# Altium PCB Copy of ToucanEyePCB.PcbDoc (part 1 of 3) (continued)
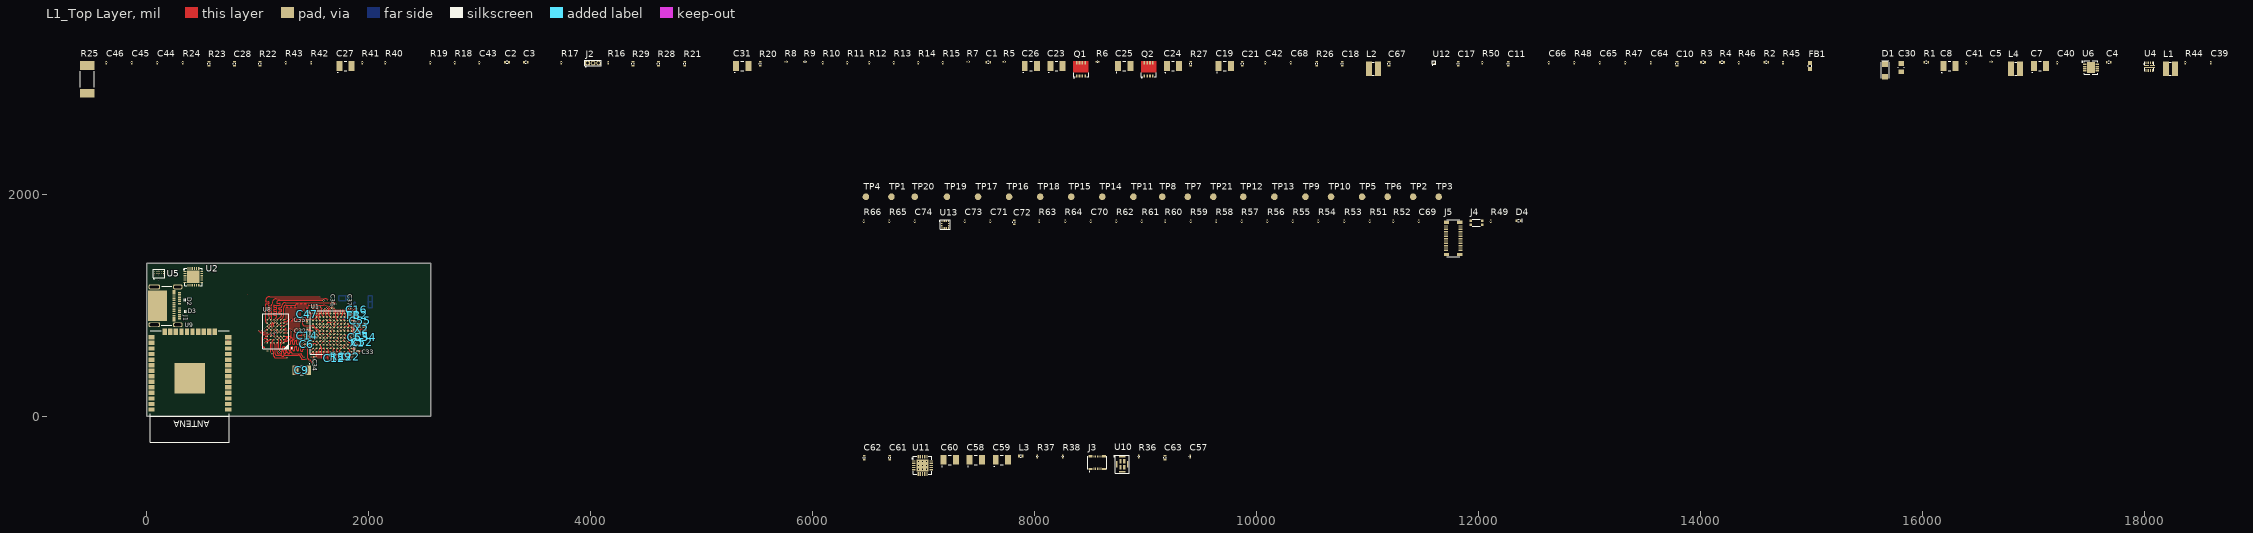
[diagram p0: L1_Top Layer view]
## Components (designator, comment, footprint, x,y, rotation, side; value= is the part's Value field where it differs from the comment) (continued)
TP21 "Test_Point" TP 9610,1975 r90 top
U1 "STM32L4R9ZIJ6" BGA144C80P12X12_1000X1000X60 1672.54,751.24 r180 top locked
U2 "STUSB1602AQTR" QFN24 420.8,1253.8 r0 top
U3 "BQ24250RGET" VQFN 109.1,1271.3 r0 bottom
U4 "TPS62097RWKT" VQFN_11 18041.87,3148.59 r0 top
U5 "BQ27532YZFT-G1" DSBGA-15_PINS 112.7,1283.5 r90 top
U6 "L5980TR" VFQFPN8 17516.87,3138.59 r0 top
U7 "USBLC6-2P6" SOT-666 157.8,989.9 r180 bottom
U8 "IS66WVE4M16EBLL-70BLI" BGA48C75P6X8_600X800X120 1162.36,762.72 r180 top locked
U9 "WROOM-32" WROOM-32 389.1,265.13 r180 top
U10 "MP34DT01TR" HCLGA 8790,-435 r0 top
U11 "TPA2014D1RGPT" QFN_16x0,5 6990,-445 r0 top
U12 "TLV70515YFPT" DSBGA 11596.87,3183.59 r90 top
U13 "LIS2DW12TR" LGA-12 7195,1725 r0 top locked
X1 "ABS05-32.768KHZ-9-T" CRYSTAL_1.6X1 1904.4,660.8 r270 top
X2 "CX2520DB16000F0FDFC1" CRYSTAL_2.5x2 1938,783.2 r270 top

## Footprints (in the part's own frame and the unit in brackets; to place one, negate y for a bottom-side part, rotate by r counter-clockwise, add the part's x,y. Pads: shape width x height; smd on the part's side, far side on the other; paste and mask are expansions set on the pad)
AXT530124 [mm]
  rect 0.23x0.92 smd paste+0 mask+0.051: 1(2.8,1.64) 2(2.8,-1.64) 3(2.4,1.64) 4(2.4,-1.64) 5(2,1.64) 6(2,-1.64) 7(1.6,1.64) 8(1.6,-1.64) 9(1.2,1.64) 10(1.2,-1.64) 11(0.8,1.64) 12(0.8,-1.64) 13(0.4,1.64) 14(0.4,-1.64) 15(0,1.64) 16(0,-1.64) 17(-0.4,1.64) 18(-0.4,-1.64) 19(-0.8,1.64) 20(-0.8,-1.64) 21(-1.2,1.64) 22(-1.2,-1.64) 23(-1.6,1.64) 24(-1.6,-1.64) 25(-2,1.64) 26(-2,-1.64) 27(-2.4,1.64) 28(-2.4,-1.64) 29(-2.8,1.64) 30(-2.8,-1.64)
  rect 0.7x1.2 smd paste+0 mask+0.051: TP(-3.7,-1.5) TP(-3.7,1.5) TP(3.7,-1.5) TP(3.7,1.5)
  silkscreen extent -4.25,-1.5 4.25,1.5
BGA48C75P6X8_600X800X120 [mm] "BGA, 48-Leads, Body 6,00x8,00mmx1,20mm, Pitch 0,75mm"
  round 0.33 smd mask+0.051: A1(-1.875,2.625) A2(-1.125,2.625) A3(-0.375,2.625) A4(0.375,2.625) A5(1.125,2.625) A6(1.875,2.625) B1(-1.875,1.875) B2(-1.125,1.875) B3(-0.375,1.875) B4(0.375,1.875) B5(1.125,1.875) B6(1.875,1.875) C1(-1.875,1.125) C2(-1.125,1.125) C3(-0.375,1.125) C4(0.375,1.125) C5(1.125,1.125) C6(1.875,1.125) D1(-1.875,0.375) D2(-1.125,0.375) D3(-0.375,0.375) D4(0.375,0.375) D5(1.125,0.375) D6(1.875,0.375) E1(-1.875,-0.375) E2(-1.125,-0.375) E3(-0.375,-0.375) E4(0.375,-0.375) E5(1.125,-0.375) E6(1.875,-0.375) F1(-1.875,-1.125) F2(-1.125,-1.125) F3(-0.375,-1.125) F4(0.375,-1.125) F5(1.125,-1.125) F6(1.875,-1.125) G1(-1.875,-1.875) G2(-1.125,-1.875) G3(-0.375,-1.875) G4(0.375,-1.875) G5(1.125,-1.875) G6(1.875,-1.875) H1(-1.875,-2.625) H2(-1.125,-2.625) H3(-0.375,-2.625) H4(0.375,-2.625) H5(1.125,-2.625) H6(1.875,-2.625)
  silkscreen extent -3.78,-4 3,4, body extent -3,-4 3,4, height 1.2
BGA144C80P12X12_1000X1000X60 [mm] "BGA, 144-Leads, Body 10,00x10,00mmx0,60mm, Pitch 0,80mm"
  round 0.4 smd paste+0 mask+0.075: A1(-4.4,4.4) A2(-3.6,4.4) A3(-2.8,4.4) A4(-2,4.4) A5(-1.2,4.4) A6(-0.4,4.4) A7(0.4,4.4) A8(1.2,4.4) A9(2,4.4) A10(2.8,4.4) A11(3.6,4.4) A12(4.4,4.4) B1(-4.4,3.6) B2(-3.6,3.6) B3(-2.8,3.6) B4(-2,3.6) B5(-1.2,3.6) B6(-0.4,3.6) B7(0.4,3.6) B8(1.2,3.6) B9(2,3.6) B10(2.8,3.6) B11(3.6,3.6) B12(4.4,3.6) C1(-4.4,2.8) C2(-3.6,2.8) C3(-2.8,2.8) C4(-2,2.8) C5(-1.2,2.8) C6(-0.4,2.8) C7(0.4,2.8) C8(1.2,2.8) C9(2,2.8) C10(2.8,2.8) C11(3.6,2.8) C12(4.4,2.8) D1(-4.4,2) D2(-3.6,2) D3(-2.8,2) D4(-2,2) D5(-1.2,2) D6(-0.4,2) D7(0.4,2) D8(1.2,2) D9(2,2) D10(2.8,2) D11(3.6,2) D12(4.4,2) E1(-4.4,1.2) E2(-3.6,1.2) E3(-2.8,1.2) E4(-2,1.2) E5(-1.2,1.2) E6(-0.4,1.2) E7(0.4,1.2) E8(1.2,1.2) E9(2,1.2) E10(2.8,1.2) E11(3.6,1.2) E12(4.4,1.2) F1(-4.4,0.4) F2(-3.6,0.4) F3(-2.8,0.4) F4(-2,0.4) F5(-1.2,0.4) F6(-0.4,0.4) F7(0.4,0.4) F8(1.2,0.4) F9(2,0.4) F10(2.8,0.4) F11(3.6,0.4) F12(4.4,0.4) G1(-4.4,-0.4) G2(-3.6,-0.4) G3(-2.8,-0.4) G4(-2,-0.4) G5(-1.2,-0.4) G6(-0.4,-0.4) G7(0.4,-0.4) G8(1.2,-0.4) G9(2,-0.4) G10(2.8,-0.4) G11(3.6,-0.4) G12(4.4,-0.4) H1(-4.4,-1.2) H2(-3.6,-1.2) H3(-2.8,-1.2) H4(-2,-1.2) H5(-1.2,-1.2) H6(-0.4,-1.2) H7(0.4,-1.2) H8(1.2,-1.2) H9(2,-1.2) H10(2.8,-1.2) H11(3.6,-1.2) H12(4.4,-1.2) J1(-4.4,-2) J2(-3.6,-2) J3(-2.8,-2) J4(-2,-2) J5(-1.2,-2) J6(-0.4,-2) J7(0.4,-2) J8(1.2,-2) J9(2,-2) J10(2.8,-2) J11(3.6,-2) J12(4.4,-2) K1(-4.4,-2.8) K2(-3.6,-2.8) K3(-2.8,-2.8) K4(-2,-2.8) K5(-1.2,-2.8) K6(-0.4,-2.8) K7(0.4,-2.8) K8(1.2,-2.8) K9(2,-2.8) K10(2.8,-2.8) K11(3.6,-2.8) K12(4.4,-2.8) L1(-4.4,-3.6) L2(-3.6,-3.6) L3(-2.8,-3.6) L4(-2,-3.6) L5(-1.2,-3.6) L6(-0.4,-3.6) L7(0.4,-3.6) L8(1.2,-3.6) L9(2,-3.6) L10(2.8,-3.6) L11(3.6,-3.6) L12(4.4,-3.6) M1(-4.4,-4.4) M2(-3.6,-4.4) M3(-2.8,-4.4) M4(-2,-4.4) M5(-1.2,-4.4) M6(-0.4,-4.4) M7(0.4,-4.4) M8(1.2,-4.4) M9(2,-4.4) M10(2.8,-4.4) M11(3.6,-4.4) M12(4.4,-4.4)
  L1_Top Layer lines w0.12: -3.6,-3.6 -3.625,-3.6
  silkscreen extent -5.48,-5 5,5, body extent -5,-5 5,5, height 0.6
BM10NB(0.6)-10DS-0.4V(51) [mm]
  rect 0.25x0.5 smd paste+0 mask+0.051: 1(-0.8,-1.405) 2(-0.8,1.405) 3(-0.4,-1.405) 4(-0.4,1.405) 5(0,-1.405) 6(0,1.405) 7(0.4,-1.405) 8(0.4,1.405) 9(0.8,-1.405) 10(0.8,1.405)
  rect 0.92x0.55 smd paste+0 mask+0.051: 11(-1.55,1.445) 12(1.55,1.445) 13(1.55,-1.445) 14(-1.55,-1.445)
  silkscreen extent -2.2,-2.06 2.2,1.49
C_0201 [mm]
  rect 0.3x0.35 smd paste+0 mask+0.051: 1(-0.275,0) 2(0.275,0)
  silkscreen extent -0.03,-0.2 0.03,0.2, body extent -0.3,-0.15 0.3,0.15, height 0.3
C_0402 [mm]
  rect 0.4x0.6 smd paste+0 mask+0.051: 1(-0.45,0) 2(0.45,0)
  silkscreen extent -0.13,-0.25 0.13,0.25, body extent -0.5,-0.25 0.5,0.25, height 0.48
C_0805 [mil]
  rect 43x50 smd paste+0 mask+2.01: 1(-37.5,0) 2(37.5,0)
  silkscreen extent -3,-29 3,29, body extent -39,-25 39,25, height 31
C_3216 [mm]
  rect 1.35x2.2 smd paste+0: 1(-1.41,0) 2(1.41,0)
  silkscreen extent -1.79,-1.56 0.33,1.04, body extent -1.65,-0.93 1.75,0.87, height 1.7
CON_EVP-BB2A9B000 [mm]
  rect 0.6x0.6 smd paste+0 mask+0.051: 1(-1.325,-0.45) 1(-1.325,0.45) 2(1.325,-0.45) 2(1.325,0.45)
  silkscreen extent -0.9,-0.8 0.9,0.8
CRYSTAL_1.6X1 [mm]
  rect 0.5x1 smd paste+0 mask+0.051: 1(-0.55,0) 2(0.55,0)
  silkscreen extent -0.15,-0.5 0.15,0.5, body extent -0.76,-0.51 0.76,0.51, height 0.5
CRYSTAL_2.5x2 [mm]
  rect 1.2x1 smd paste+0 mask+0.051: 1(-0.85,-0.65) 2(0.85,-0.65) 3(0.85,0.65) 4(-0.85,0.65)
  silkscreen extent -1.75,-1.34 0.1,1, body extent -1.36,-1.11 1.36,1.12, height 1.22
DFN35P60X32-2N [mm] "DFN, 2-Leads, Body 0,30x0,60mm, Pitch 0,35mm, IPC Medium Density"
  rect 0.187x0.225 smd paste-0.01 mask+0.051: 1(-0.169,0) 2(0.169,0)
  silkscreen extent -0.3,-0.2 0.3,0.2, body extent -0.31,-0.16 0.32,0.16, height 0.32
DSBGA [mm]
  round 0.24 smd paste+0 mask+0.051: A1(-0.2,0.2) A2(0.2,0.2) B1(-0.2,-0.2) B2(0.2,-0.2)
  silkscreen extent -0.63,-0.4 0.4,0.4, body extent -0.4,-0.4 0.4,0.4, height 0.31
DSBGA-15_PINS [mm]
  round 0.195 smd paste+0 mask+0.05: A1(-0.5,1) A2(0,1) A3(0.5,1) B1(-0.5,0.5) B2(0,0.5) B3(0.5,0.5) C1(-0.5,0) C2(0,0) C3(0.5,0) D1(-0.5,-0.5) D2(0,-0.5) D3(0.5,-0.5) E1(-0.5,-1) E2(0,-1) E3(0.5,-1)
  L1_Top Layer lines w0.076: 0,0.508 0,0.5
  L1_Top Layer lines w0.127: -0.051,0 0,0
  silkscreen extent -1.33,-1.32 0.99,1.32, body extent -0.99,-1.32 0.99,1.32, height 0.63
HCLGA [mm]
  rect 0.55x1.05 smd mask+0.051: 1(-0.425,0.675) 2(-0.425,-0.675) 3(0.425,-0.675) 4(0.425,0.675)
  rect 0.35x1.5 smd mask+0.051: 5(-1.225,0) 5(1.225,0)
  rect 1.5x0.35 smd mask+0.051: 5(0,-1.725) 5(0,1.725)
  silkscreen extent -2,-2.1 1.6,2.1, body extent -1.5,-2 1.5,2, height 1.06
"HEADER 3x1.27mm" [mm]
  rect 1.1x1.1 hole 0.7 mask+0.051: 1(0,0)
  round 1.1 hole 0.7 mask+0.051: 2(1.27,0) 3(2.54,0)
  silkscreen extent -0.64,-0.9 3.17,0.63
L_3x3 [mm]
  rect 1.4x3.4 smd paste+0 mask+0.051: 1(-1.05,0) 2(1.05,0)
  silkscreen extent -0.23,-1.5 0.23,1.5, body extent -1.5,-1.5 1.5,1.5, height 1.2
L_0402 [mm]
  rect 0.4x0.65 smd paste+0 mask+0.051: 1(-0.413,0) 2(0.413,0)
  silkscreen extent -0.1,-0.28 0.1,0.28, body extent -0.5,-0.27 0.5,0.28, height 0.46
L_0603 [mm]
  rect 0.9x0.9 smd paste+0 mask+0.051: 1(-0.7,0) 2(0.7,0)
  silkscreen extent -0.15,-0.4 0.15,0.4, body extent -0.8,-0.41 0.8,0.41, height 0.6
LED0402 [mm]
  rect 0.4x0.6 smd mask+0.051: 1(-0.5,0) 2(0.5,0)
  silkscreen extent -0.18,-0.42 0.84,0.42, body extent -0.5,-0.3 0.5,0.3, height 0.08
LGA-12 [mm]
  rect 0.3x0.4 smd paste+0 mask+0.051: 1(-0.75,0.8)
  rect 0.4x0.3 smd mask+0.051: 2(-0.8,0.25) 3(-0.8,-0.25) 8(0.8,-0.25) 9(0.8,0.25)
  rect 0.3x0.4 smd mask+0.051: 4(-0.75,-0.8) 5(-0.25,-0.8) 6(0.25,-0.8) 7(0.75,-0.8) 10(0.75,0.8) 11(0.25,0.8) 12(-0.25,0.8)
  silkscreen extent -1.36,-1.1 1.1,1.1
PowerFLAT [mm]
  rect 0.4x0.75 smd paste+0 mask+0.051: 1(-0.975,-1.525) 2(-0.325,-1.525) 3(0.325,-1.525) 4(0.975,-1.525)
  rect 0.4x0.75 smd paste-1 mask+0: 5(0.975,1.525) 6(0.325,1.525) 7(-0.325,1.525) 8(-0.975,1.525)
  L1_Top Layer region: -1.755,-0.686 1.755,-0.686 1.755,1.9 -1.755,1.9
  L1_Top Layer pour cut-out: 2.057,0.533
  silkscreen extent -1.75,-2.02 1.75,-0.84, body extent -1.75,-1.75 1.75,1.75, height 0.9
QFN24 [mm]
  rect 0.6x0.25 smd paste+0 mask+0.051: 1(-1.9,1.25) 2(-1.9,0.75) 3(-1.9,0.25) 4(-1.9,-0.25) 5(-1.9,-0.75) 6(-1.9,-1.25) 13(1.9,-1.25) 14(1.9,-0.75) 15(1.9,-0.25) 16(1.9,0.25) 17(1.9,0.75) 18(1.9,1.25)
  rect 0.25x0.6 smd paste+0 mask+0.051: 7(-1.25,-1.9) 8(-0.75,-1.9) 9(-0.25,-1.9) 10(0.25,-1.9) 11(0.75,-1.9) 12(1.25,-1.9) 19(1.25,1.9) 20(0.75,1.9) 21(0.25,1.9) 22(-0.25,1.9) 23(-0.75,1.9) 24(-1.25,1.9)
  rect 2.8x2.8 smd paste-5 mask+0.051: 25(0,0)
  silkscreen extent -2.3,-2 2,2, body extent -2,-2 2,2, height 1
QFN_16x0,5 [mm]
  rect 0.85x0.28 smd paste+0 mask+0.08: 1(-1.975,1) 2(-1.975,0.5) 3(-1.975,0) 4(-1.975,-0.5) 5(-1.975,-1) 11(1.975,-1) 12(1.975,-0.5) 13(1.975,0) 14(1.975,0.5) 15(1.975,1)
  rect 0.28x0.85 smd paste+0 mask+0.08: 6(-1,-1.975) 7(-0.5,-1.975) 8(0,-1.975) 9(0.5,-1.975) 10(1,-1.975) 16(1,1.975) 17(0.5,1.975) 18(0,1.975) 19(-0.5,1.975) 20(-1,1.975)
  rect 2.7x2.7 smd paste-3 mask+0.08: 21(0,0)
  silkscreen extent -2.43,-2.07 2.07,2.07, body extent -2.07,-2.07 2.07,2.07, height 1
R2512 [mm]
  rect 2x3.3 smd mask+0.051: 1(-3.175,0) 2(3.175,0)
  silkscreen extent -1.8,-1.6 1.8,1.6, body extent -3.35,-1.6 3.35,1.6, height 0.55
R_0201 [mm]
  rect 0.3x0.35 smd mask+0.051: 1(-0.275,0) 2(0.275,0)
  silkscreen extent -0.03,-0.2 0.03,0.2, body extent -0.3,-0.15 0.3,0.15, height 0.3
R_0201_NF [mm]
  rect 0.3x0.35 smd mask+0.051: 1(-0.275,0) 2(0.275,0)
  silkscreen extent -0.03,-0.2 0.03,0.2
R_0402 [mm]
  rect 0.4x0.6 smd paste+0 mask+0.051: 1(-0.45,0) 2(0.45,0)
  silkscreen extent -0.13,-0.25 0.13,0.25, body extent -0.57,-0.27 0.57,0.27, height 0.41
SOD123 [mm]
  rect 1.3x1.4 smd paste+0 mask+0.051: 1(-1.45,0) 2(1.45,0)
  silkscreen extent -1.85,-0.9 2.21,0.9, body extent -1.85,-0.8 1.85,0.8, height 1.27
SOT-666 [mm]
  rect 0.99x0.3 smd mask+0.051: 1(-0.805,0.5) 2(-0.805,0) 3(-0.805,-0.5) 4(0.805,-0.5) 5(0.805,0) 6(0.805,0.5)
  silkscreen extent -1.17,-0.85 0.85,1, body extent -0.8,-0.8 0.8,0.8, height 0.6
TP [mm]
  round 1.5 smd mask+0.051: 1(0,0)
"USB TYPE C (MOLEX)" [mm]
  rrect50% 1.1x2.6 hole 2.1 slot 0.6 at 0 deg paste+0 mask+0.051: 1(-4.32,-2)
  rrect50% 1.1x2.6 hole 2.1 slot 0.6 at 0 deg mask+0.051: 2(4.32,-2)
  rrect50% 1.1x2.1 hole 1.6 slot 0.6 at 0 deg mask+0.051: 3(4.32,3.36) 4(-4.32,3.36)
  rect 0.33x0.75 smd mask+0.051: A1(-3,3.745) A2(-2.5,3.745) A3(-2,3.745) A4(-1.5,3.745) A5(-1,3.745) A6(-0.5,3.745) A7(0.5,3.745) A8(1,3.745) A9(1.5,3.745) A10(2,3.745) A11(2.5,3.745) A12(3,3.745) B2(2.25,2.495) B3(1.75,2.495) B4(1.25,2.495) B5(0.75,2.495) B6(0.25,2.495) B7(-0.25,2.495) B8(-0.75,2.495) B9(-1.25,2.495) B10(-1.75,2.495) B11(-2.25,2.495)
  rect 1.05x0.75 smd mask+0.051: B1(3.1,2.495) B12(-3.1,2.495)
  rect 7x4.3 smd paste-5 mask+0.051: B13(0,-1.3)
  silkscreen extent -4.47,-0.38 4.47,2, body extent -4.47,-3.95 4.47,3.95, height 3.28
VFQFPN8 [mm] "PQFN, 8-Leads, Body 3,00x3,00mm, Pitch 0,50mm, Thermal Pad 1,62x2,36mm, IPC High Density"
  rect 0.8x0.35 smd mask+0.051: 1(-1.425,0.75) 2(-1.425,0.25) 3(-1.425,-0.25) 4(-1.425,-0.75) 5(1.425,-0.75) 6(1.425,-0.25) 7(1.425,0.25) 8(1.425,0.75)
  rect 1.8x2.5 smd paste-5 mask+0.051: 9(0,0)
  silkscreen extent -2.16,-1.52 1.52,1.53, body extent -1.53,-1.52 1.52,1.53, height 1
VQFN [mm]
  rect 0.6x0.25 smd mask+0.07: 1(-1.9,1.25) 2(-1.9,0.75) 3(-1.9,0.25) 4(-1.9,-0.25) 5(-1.9,-0.75) 6(-1.9,-1.25) 13(1.9,-1.25) 14(1.9,-0.75) 15(1.9,-0.25) 16(1.9,0.25) 17(1.9,0.75) 18(1.9,1.25)
  rect 0.25x0.6 smd mask+0.07: 7(-1.25,-1.9) 8(-0.75,-1.9) 9(-0.25,-1.9) 10(0.25,-1.9) 11(0.75,-1.9) 12(1.25,-1.9) 19(1.25,1.9) 20(0.75,1.9) 21(0.25,1.9) 22(-0.25,1.9) 23(-0.75,1.9) 24(-1.25,1.9)
  rect 2.8x2.8 smd paste-5 mask+0.07: 25(0,0)
  silkscreen extent -2.3,-2 2,2, body extent -2,-2 2,2, height 1
VQFN_11 [mm]
  rect 1.15x0.3 smd paste-1.5 mask-0.05: 1(-0.675,0.225) 7(0.675,0.225)
  rect 2.5x0.3 smd paste-2.5 mask-0.05: 2(0,-0.225)
  rect 0.25x0.575 smd mask+0.05: 3(-0.75,-0.913) 4(-0.25,-0.913) 5(0.25,-0.913) 6(0.75,-0.913) 8(0.75,0.913) 9(0.25,0.913) 10(-0.25,0.913) 11(-0.75,0.913)
  silkscreen extent -1.31,-1.05 1.05,1.05, body extent -1.05,-1.05 1.05,1.05, height 1
WROOM-32 [mm]
  rect 1.4x1 smd mask+0.051: 1(-8.8,5.25) 2(-8.8,3.98) 3(-8.8,2.71) 4(-8.8,1.44) 5(-8.8,0.17) 6(-8.8,-1.1) 7(-8.8,-2.37) 8(-8.8,-3.64) 9(-8.8,-4.91) 10(-8.8,-6.18) 11(-8.8,-7.45) 12(-8.8,-8.72) 13(-8.8,-9.99) 14(-8.8,-11.26) 25(8.8,-11.26) 26(8.8,-9.99) 27(8.8,-8.72) 28(8.8,-7.45) 29(8.8,-6.18) 30(8.8,-4.91) 31(8.8,-3.64) 32(8.8,-2.37) 33(8.8,-1.1) 34(8.8,0.17) 35(8.8,1.44) 36(8.8,2.71) 37(8.8,3.98) 38(8.8,5.25)
  rect 1x1.4 smd mask+0.051: 15(-5.715,-12.55) 16(-4.445,-12.55) 17(-3.175,-12.55) 18(-1.905,-12.55) 19(-0.635,-12.55) 20(0.635,-12.55) 21(1.905,-12.55) 22(3.175,-12.55) 23(4.445,-12.55) 24(5.715,-12.55)
  rect 7x7 smd mask+0.051: 39(0,-1.945)
  silkscreen extent -9,-12.75 9,12.75, body extent -9.04,-12.77 9.04,12.77, height 3

## Part data
C1 C2 C3 C11 C21 C61 C62 C67: "CAP CER 1UF 25V X5R 0402", Capacitance=1uF, Case/Package=0402, Case Code (Metric)=1005, Dielectric=X5R, Manufacturer="Taiyo Yuden", Manufacturer Part Number=TMK105BJ105MV-F, Max Operating Temperature=85°C, Min Operating Temperature=-55°C, Package Quantity=1, Supplier Part Number 1=963-TMK105BJ105MV-F, Tolerance=20%, Voltage Rating=25V, *PCBChecked=1, *SCHChecked=1, Case Code (Imperial)=0402, ComponentLink1Description=https://datasheet.ciiva.com/30154/128tmk105bj105mv-f-30154639.pdf, ComponentLink1URL=https://datasheet.ciiva.com/30154/128tmk105bj105mv-f-30154639.pdf, ComponentLink2Description=https://datasheet.ciiva.com/15922/tmk105bj105mv-f-pdf-15922317.pdf, ComponentLink2URL=https://datasheet.ciiva.com/15922/tmk105bj105mv-f-pdf-15922317.pdf, ComponentLink3Description=https://datasheet.ciiva.com/11596/tmk105bj105mv-f-ss-11596466.pdf, ComponentLink3URL=https://datasheet.ciiva.com/11596/tmk105bj105mv-f-ss-11596466.pdf, ComponentLink4Description=https://datasheet.ciiva.com/13404/mlcc-all-e-541559-13404206.pdf, ComponentLink4URL=https://datasheet.ciiva.com/13404/mlcc-all-e-541559-13404206.pdf, Composition=Ceramic, Depth=0.5mm, Halogen Free="Halogen Free", Height=0.5mm, Length=1mm, Mount="Surface Mount", Packaging="Tape and Reel", Pricing 1="1=0.28, 10=0.098, 50=0.098, 100=0.054, 1000=0.028, 10000=0.019 (USD)", Radiation Hardening=No, Stock 1=60117, Supplier 1=Mouser, Termination=SMD/SMT, Thickness=0.022inch, Voltage Rating (DC)=25V, Width=0.02inch
C4 C56 C63: "10µF 6.3V Ceramic Capacitor X6S 0402 (1005 Metric) 0.039\" L x 0.020\" W (1.00mm x 0.50mm)", Capacitance=10uF, Case/Package=0402, Case Code (Metric)=1005, Dielectric=X6S, Manufacturer=Murata, Manufacturer Part Number=GRM155C80J106ME11D, Max Operating Temperature=105°C, Min Operating Temperature=-55°C, Supplier Part Number 1=81-GRM155C80J106ME1D, Tolerance=20%, Voltage Rating=6.3V, *PCBChecked=1, *SCHChecked=1, Case Code (Imperial)=0402, ComponentLink1Description=http://search.murata.co.jp/Ceramy/image/img/A01X/partnumbering_e_01.pdf, ComponentLink1URL=http://search.murata.co.jp/Ceramy/image/img/A01X/partnumbering_e_01.pdf, Length=0.039inch, Mount="Surface Mount", Packaging="Tape and Reel", Pricing 1="1=0.17, 10=0.125, 50=0.125, 100=0.059, 1000=0.034, 10000=0.024 (USD)", Stock 1=134415, Supplier 1=Mouser, Thickness=0.028inch, Voltage Rating (DC)=6.3V, Width=0.02inch
C5 C6 C12 C14 C20 C22 C32 C33 C34 C35 C36 C37 C38 C39 C40 C41 C42 C43 C44 C45 C46 C48 C49 C50 C51 C57 C68 C69 C70 C71 C73 C74: "Multilayer Ceramic Capacitors MLCC - SMD/SMT 0201 0.10uF 35volts *Derate Voltage/Temp", Capacitance=100nF, Case/Package=0201, Case Code (Metric)=0603, Dielectric=X5R, Manufacturer=Murata, Manufacturer Part Number=GRM033R6YA104KE14D, Max Operating Temperature=85°C, Min Operating Temperature=-55°C, Package Quantity=15000, Supplier Part Number 1=81-GRM33R6YA104KE14D, Tolerance=10%, Voltage Rating=35V, Case Code (Imperial)=0201, ComponentLink1Description=http://www.mouser.com/ds/2/281/c02e-2905.pdf, ComponentLink1URL=http://www.mouser.com/ds/2/281/c02e-2905.pdf, ComponentLink2Description=http://search.murata.co.jp/Ceramy/image/img/A01X/partnumbering_e_01.pdf, ComponentLink2URL=http://search.murata.co.jp/Ceramy/image/img/A01X/partnumbering_e_01.pdf, Height=0.3mm, Length=0.024inch, Mount="Surface Mount", Packaging="Tape and Reel", Pricing 1="1=0.1, 10=0.061, 50=0.061, 100=0.027, 1000=0.015, 10000=0.01 (USD)", Stock 1=295799, Supplier 1=Mouser, Termination=SMD/SMT, Thickness=0.013inch, Voltage Rating (DC)=35V, Weight=1.2E-05oz, Width=0.3mm
C7 C19 C25 C58: "Cap Tant Solid 22uF 6.3V A CASE 10% (3.2 X 1.6 X 1.6mm) SMD 3216-18 4 Ohm 125C T/R", Capacitance=22uF, Case/Package=1206, Case Code (Metric)=3216, Dielectric Material=Tantalum, ESR (Equivalent Series Resistance)=4R, Leakage Current=1.4uA, Manufacturer=KEMET, Manufacturer Part Number=T491A226K006AT, Max Operating Temperature=125°C, Min Operating Temperature=-55°C, Package Quantity=1, Ripple Current=137mA, Supplier Part Number 1=80-T491A226K006, Tolerance=10%, Voltage=6.3V, *PCBChecked=1, *SCHChecked=1, Case Code (Imperial)=1206, ComponentLink1Description=https://datasheet.ciiva.com/12884/kem-t2005-t491-12884456.pdf, ComponentLink1URL=https://datasheet.ciiva.com/12884/kem-t2005-t491-12884456.pdf, ComponentLink2Description=https://datasheet.ciiva.com/6248/kem-t2005-t491-6248094.pdf, ComponentLink2URL=https://datasheet.ciiva.com/6248/kem-t2005-t491-6248094.pdf, ComponentLink3Description=https://datasheet.ciiva.com/28488/1854511-28488485.pdf, ComponentLink3URL=https://datasheet.ciiva.com/28488/1854511-28488485.pdf, ComponentLink4Description=https://datasheet.ciiva.com/5934/kem-t2005-t491-5934246.pdf, ComponentLink4URL=https://datasheet.ciiva.com/5934/kem-t2005-t491-5934246.pdf, Depth=1.6mm, Dissipation Factor=6%, Failure Rate=0.001%, Height=1.6mm, Height - Seated (Max)=0.071inch, Lead Free="Lead Free", Lead Pitch=1.2mm, Length=3.2mm, Life (Hours)=2000Hour, Mount="Surface Mount,PCB", Number of Pins=2, Packaging="Tape and Reel", Polarity=Polar, Pricing 1="1=0.42, 10=0.239, 50=0.239, 100=0.144, 1000=0.118, 10000=0.08 (USD)", Radiation Hardening=No, REACH SVHC="No SVHC", Stock 1=2818, Supplier 1=Mouser, Termination=SMD/SMT, Voltage Rating=6.3V, Voltage Rating (DC)=6.3V, Width=0.063inch
C8 C60: "CAP TANT 10UF 10V 10% 1206", Capacitance=10uF, Case/Package=1206, Case Code (Metric)=3216, ESR (Equivalent Series Resistance)=3.8R, Manufacturer=KEMET, Manufacturer Part Number=T491A106K010AT7280, Max Operating Temperature=125°C, Min Operating Temperature=-55°C, Package Quantity=1, Supplier Part Number 1=80-T491A106K107280, Tolerance=10%, Voltage Rating=10V, Case Code (Imperial)=1206, ComponentLink1Description=https://datasheet.ciiva.com/12911/kem-t2005-t491-12911022.pdf, ComponentLink1URL=https://datasheet.ciiva.com/12911/kem-t2005-t491-12911022.pdf, ComponentLink2Description=https://datasheet.ciiva.com/6248/kem-t2005-t491-6248182.pdf, ComponentLink2URL=https://datasheet.ciiva.com/6248/kem-t2005-t491-6248182.pdf, Depth=1.6mm, Dissipation Factor=6%, Failure Rate=0.001%, Height=1.8mm, Height - Seated (Max)=0.071inch, Lead Free="Lead Free", Length=3.2mm, Life (Hours)=2000Hour, Mount="Surface Mount", Packaging="Tape and Reel", Polarity=Polar, Pricing 1="1=0.39, 10=0.223, 50=0.223, 100=0.134, 1000=0.096, 10000=0.074 (USD)", Resistance=3.8R, Stock 1=0, Supplier 1=Mouser, Termination=SMD/SMT, Width=0.063inch
C9: "TANTALUM CHIPS, TAN", Capacitance=4.7uF, Manufacturer="Kyocera AVX", Manufacturer Part Number=TAJA475K016UNJ, Supplier Part Number 1=581-TAJA475K016UNJ, *PCBChecked=1, *SCHChecked=1, Pricing 1="1=0.11, 10=0.11, 50=0.098, 100=0.088, 1000=0.064, 10000=0.056 (USD)", Stock 1=7169, Supplier 1=Mouser
C10 C72: ".010UF 16.0V", Capacitance=10nF, Case/Package=0402, Dielectric=X5R, Dielectric Material=Ceramic, Manufacturer=KEMET, Manufacturer Part Number=C0402C103K4PACTU, Supplier Part Number 1=80-C0402C103K4P, Tolerance=10%, Voltage Rating (DC)=16V, *PCBChecked=1, *SCHChecked=1, ComponentLink1Description=http://www.kemet.com/Lists/ProductCatalog/Attachments/19/KEM_C1006_X5R_SMD.pdf, ComponentLink1URL=http://www.kemet.com/Lists/ProductCatalog/Attachments/19/KEM_C1006_X5R_SMD.pdf, Lead Free="Lead Free", Pricing 1="1=0.11, 10=0.025, 50=0.025, 100=0.015, 1000=0.01, 10000=0.007 (USD)", Stock 1=39404, Supplier 1=Mouser
C13 C15 C23 C24 C26 C27 C31 C59: "CAP TANT 1UF 25V 20% 1206", Capacitance=1uF, Case/Package=1206, Case Code (Metric)=3216, Dielectric Material=Tantalum, ESR (Equivalent Series Resistance)=7.6R, Leakage Current=500nA, Manufacturer="Vishay Sprague", Manufacturer Part Number=293D105X0025A2TE3, Max Operating Temperature=125°C, Min Operating Temperature=-55°C, Package Quantity=2000, Ripple Current=100mA, Supplier Part Number 1=74-293D105X0025A2TE3, Tolerance=20%, Voltage Rating=25V, Voltage Rating (DC)=200kV, *PCBChecked=1, *SCHChecked=1, Case Code (Imperial)=1206, ComponentLink1Description=https://datasheet.ciiva.com/16631/293d-16631739.pdf, ComponentLink1URL=https://datasheet.ciiva.com/16631/293d-16631739.pdf, ComponentLink2Description=https://datasheet.ciiva.com/11245/293d-11245007.pdf, ComponentLink2URL=https://datasheet.ciiva.com/11245/293d-11245007.pdf, ComponentLink3Description=https://datasheet.ciiva.com/22644/1910915-22644415.pdf, ComponentLink3URL=https://datasheet.ciiva.com/22644/1910915-22644415.pdf, ComponentLink4Description=https://datasheet.ciiva.com/16293/293d-16293686.pdf, ComponentLink4URL=https://datasheet.ciiva.com/16293/293d-16293686.pdf, ComponentLink5Description=https://datasheet.ciiva.com/12884/293d-239871-12884008.pdf, ComponentLink5URL=https://datasheet.ciiva.com/12884/293d-239871-12884008.pdf, ComponentLink6Description=https://datasheet.ciiva.com/268/293d-268331.pdf, ComponentLink6URL=https://datasheet.ciiva.com/268/293d-268331.pdf, Depth=1.6mm, Dissipation Factor=4%, Height=1.6mm, Height - Seated (Max)=0.071inch, Lead Free="Lead Free", Length=3.2mm, Mount="Surface Mount", Number of Pins=2, Packaging="Tape and Reel", Polarity=Polar, Pricing 1="1=0.17, 10=0.139, 50=0.135, 100=0.131, 1000=0.126, 10000=0.075 (USD)", Radiation Hardening=No, REACH SVHC=Unknown, Stock 1=4878, Supplier 1=Mouser, Termination=SMD/SMT, Width=1.6mm
C16: "10000pF ±10% 10V X7R Ceramic Capacitor -55°C ~ 125°C Surface Mount, MLCC 0201 (0603 Metric) 0.024\" L x 0.012\" W (0.60mm x 0.30mm)", Capacitance=10nF, Case/Package=0201, Case Code (Metric)=0603, Dielectric=X7R, Manufacturer=TDK, Manufacturer Part Number=CGA1A2X7R1A103K030BA, Max Operating Temperature=125°C, Min Operating Temperature=-55°C, Package Quantity=15000, Supplier Part Number 1=810-CGA1A2X7R1A103KA, Tolerance=10%, Voltage Rating=10V, *PCBChecked=1, *SCHChecked=1, Case Code (Imperial)=0201, ComponentLink1Description=http://www.mouser.com/ds/2/400/lcc_automotive_general_en-843974.pdf, ComponentLink1URL=http://www.mouser.com/ds/2/400/lcc_automotive_general_en-843974.pdf, ComponentLink2Description=http://product.tdk.com/capacitor/mlcc/en/documents/mlcc_automotive_general_en.pdf, ComponentLink2URL=http://product.tdk.com/capacitor/mlcc/en/documents/mlcc_automotive_general_en.pdf, ComponentLink3Description=https://product.tdk.com/info/en/catalog/datasheets/mlcc_automotive_general_en.pdf, ComponentLink3URL=https://product.tdk.com/info/en/catalog/datasheets/mlcc_automotive_general_en.pdf, Height=0.3mm, Length=0.024inch, Mount="Surface Mount", Packaging="Tape and Reel", Pricing 1="1=0.11, 10=0.075, 50=0.075, 100=0.03, 1000=0.02, 10000=0.015 (USD)", Stock 1=84981, Supplier 1=Mouser, Termination=SMD/SMT, Thickness=0.012inch, Voltage Rating (DC)=10V, Weight=6E-06oz, Width=0.012inch
C17 C47: "2.2µF 25V Ceramic Capacitor X5R 0402 (1005 Metric) 0.039\" L x 0.020\" W (1.00mm x 0.50mm)", Capacitance=2.2uF, Case/Package=0402, Case Code (Metric)=1005, Dielectric=X5R, Manufacturer=Murata, Manufacturer Part Number=GRT155R61E225KE13D, Max Operating Temperature=85°C, Min Operating Temperature=-55°C, Supplier Part Number 1=81-GRT155R61E225KE3D, Tolerance=10%, Voltage Rating=25V, *PCBChecked=1, *SCHChecked=1, Case Code (Imperial)=0402, ComponentLink1Description=http://search.murata.co.jp/Ceramy/image/img/A01X/G101/ENG/GRT155R61E225KE13-01.pdf, ComponentLink1URL=http://search.murata.co.jp/Ceramy/image/img/A01X/G101/ENG/GRT155R61E225KE13-01.pdf, Length=0.039inch, Mount="Surface Mount", Packaging="Cut Tape", Stock 1=15349, Supplier 1=Mouser, Thickness=0.022inch, Voltage Rating (DC)=25V, Width=0.02inch
C18 C28: "Multilayer Ceramic Capacitors MLCC - SMD/SMT .033uF 25Volts 10%", Capacitance=33nF, Case/Package=0402, Case Code (Metric)=1005, Dielectric=X7R, Manufacturer=Murata, Manufacturer Part Number=GCM155R71E333KA55D, Max Operating Temperature=125°C, Min Operating Temperature=-55°C, Package Quantity=10000, Supplier Part Number 1=81-GCM155R71E333KA5D, Tolerance=10%, Voltage Rating=25V, *PCBChecked=1, *SCHChecked=1, Case Code (Imperial)=0402, ComponentLink1Description=https://datasheet.ciiva.com/17453/product-17453653.pdf, ComponentLink1URL=https://datasheet.ciiva.com/17453/product-17453653.pdf, ComponentLink2Description=https://datasheet.ciiva.com/16440/s0717e-16440394.pdf, ComponentLink2URL=https://datasheet.ciiva.com/16440/s0717e-16440394.pdf, ComponentLink3Description=https://datasheet.ciiva.com/164/s0717e-164723.pdf, ComponentLink3URL=https://datasheet.ciiva.com/164/s0717e-164723.pdf, Depth=0.5mm, Height=0.5mm, Lead Free="Lead Free", Length=1mm, Mount="Surface Mount", Packaging="Tape and Reel", Pricing 1="1=0.11, 10=0.091, 50=0.091, 100=0.04, 1000=0.023, 10000=0.015 (USD)", Radiation Hardening=No, REACH SVHC="No SVHC", Stock 1=88789, Supplier 1=Mouser, Termination=SMD/SMT, Thickness=0.022inch, Voltage Rating (DC)=25V, Width=0.02inch
C30: "15µF ±20% 35V X5R Ceramic Capacitor -55°C ~ 85°C Surface Mount, MLCC 0805 (2012 Metric) 0.079\" L x 0.049\" W (2.00mm x 1.25mm)", Capacitance=15uF, Case/Package=0805, Case Code (Metric)=2012, Dielectric=X5R, Dielectric Material=Ceramic, Manufacturer=TDK, Manufacturer Part Number=C2012X5R1V156M125AC, Max Operating Temperature=85°C, Min Operating Temperature=-55°C, Package Quantity=2000, Supplier Part Number 1=810-C2012X5R1V156M1C, Tolerance=20%, Voltage Rating=35V, *PCBChecked=1, *SCHChecked=1, Case Code (Imperial)=0805, ComponentLink1Description=https://datasheet.ciiva.com/14893/tdkmlcccaprange-14893919.pdf, ComponentLink1URL=https://datasheet.ciiva.com/14893/tdkmlcccaprange-14893919.pdf, ComponentLink2Description=https://datasheet.ciiva.com/14893/tdkmlcccaprange-14893918.pdf, ComponentLink2URL=https://datasheet.ciiva.com/14893/tdkmlcccaprange-14893918.pdf, Composition=Ceramic, Height=1.25mm, Lead Free="Lead Free", Length=0.079inch, Mount="Surface Mount", Packaging="Tape and Reel", Pricing 1="1=0.81, 10=0.689, 50=0.689, 100=0.338, 1000=0.279, 10000=0.182 (USD)", Stock 1=20933, Supplier 1=Mouser, Termination=SMD/SMT, Thickness=0.057inch, Voltage Rating (DC)=35V, Width=0.049inch
C52 C53: "Multilayer Ceramic Capacitors MLCC - SMD/SMT 0201 5.6pF 50volts C0G +/-0.1pF", Capacitance=5.6pF, Case/Package=0201, Case Code (Metric)=0603, Dielectric=C0G, Manufacturer=Murata, Manufacturer Part Number=GRM0335C1H5R6BA01D, Max Operating Temperature=125°C, Min Operating Temperature=-55°C, Package Quantity=15000, Supplier Part Number 1=81-GRM0335C1H5R6BA1D, Voltage Rating=50V, *PCBChecked=1, *SCHChecked=1, Case Code (Imperial)=0201, ComponentLink1Description=https://datasheet.ciiva.com/29538/partnumbering-e-01-29538488.pdf, ComponentLink1URL=https://datasheet.ciiva.com/29538/partnumbering-e-01-29538488.pdf, Depth=0.3mm, Height=0.3mm, Length=0.6mm, Mount="Surface Mount", Packaging="Tape and Reel", Pricing 1="1=0.1, 10=0.018, 50=0.018, 100=0.008, 1000=0.005, 10000=0.003 (USD)", Stock 1=70824, Supplier 1=Mouser, Termination=SMD/SMT, Thickness=0.013inch, Voltage Rating (DC)=50V, Width=0.012inch
C54 C55: "CAP CER 6.8PF 25V NP0 0201", Capacitance=6.8pF, Case/Package=0201, Case Code (Metric)=0603, Dielectric=C0G, Manufacturer=Murata, Manufacturer Part Number=GJM0335C1E6R8CB01D, Max Operating Temperature=125°C, Min Operating Temperature=-55°C, Package Quantity=1, Supplier Part Number 1=81-GJM0335C1E6R8CB01, Voltage Rating=25V, *PCBChecked=1, *SCHChecked=1, Case Code (Imperial)=0201, ComponentLink1Description=https://datasheet.ciiva.com/11611/product-11611316.pdf, ComponentLink1URL=https://datasheet.ciiva.com/11611/product-11611316.pdf, ComponentLink2Description=https://datasheet.ciiva.com/133/partnumbering-e-01-133418.pdf, ComponentLink2URL=https://datasheet.ciiva.com/133/partnumbering-e-01-133418.pdf, ComponentLink3Description=https://datasheet.ciiva.com/133/partnumbering-e-01-133419.pdf, ComponentLink3URL=https://datasheet.ciiva.com/133/partnumbering-e-01-133419.pdf, ComponentLink4Description=https://datasheet.ciiva.com/11611/product-11611254.pdf, ComponentLink4URL=https://datasheet.ciiva.com/11611/product-11611254.pdf, ComponentLink5Description=https://datasheet.ciiva.com/133/partnumbering-e-01-133417.pdf, ComponentLink5URL=https://datasheet.ciiva.com/133/partnumbering-e-01-133417.pdf, Depth=0.3mm, Height=0.3mm, Lead Free="Lead Free", Length=0.6mm, Mount="Surface Mount", Packaging="Tape and Reel", Pricing 1="1=0.1, 10=0.045, 50=0.045, 100=0.02, 1000=0.011, 10000=0.008 (USD)", Radiation Hardening=No, Stock 1=86677, Supplier 1=Mouser, Termination=SMD/SMT, Thickness=0.013inch, Voltage Rating (DC)=25V, Width=0.3mm
C64: "Multilayer Ceramic Capacitors MLCC - SMD/SMT 0.0027uF 10volts 10%", Capacitance=2.7nF, Case/Package=0201, Case Code (Metric)=0603, Dielectric=X7R, Manufacturer=Murata, Manufacturer Part Number=GRM033R71A272KA01D, Max Operating Temperature=125°C, Min Operating Temperature=-55°C, Package Quantity=15000, Supplier Part Number 1=81-GRM033R71A272KA1D, Tolerance=10%, Voltage Rating=10V, *PCBChecked=1, *SCHChecked=1, Case Code (Imperial)=0201, ComponentLink1Description=https://datasheet.ciiva.com/11620/product-11620517.pdf, ComponentLink1URL=https://datasheet.ciiva.com/11620/product-11620517.pdf, ComponentLink2Description=https://datasheet.ciiva.com/163/partnumbering-e-01-163130.pdf, ComponentLink2URL=https://datasheet.ciiva.com/163/partnumbering-e-01-163130.pdf, Depth=0.3mm, Height=0.3mm, Length=0.6mm, Mount="Surface Mount", Packaging="Tape and Reel", Pricing 1="1=0.1, 10=0.031, 50=0.031, 100=0.014, 1000=0.008, 10000=0.005 (USD)", Radiation Hardening=No, Stock 1=54615, Supplier 1=Mouser, Termination=SMD/SMT, Thickness=0.013inch, Voltage Rating (DC)=10V, Width=0.012inch
C65: "Multilayer Ceramic Capacitors MLCC - SMD/SMT 0201 1000pF 50volts X7R 10%", Capacitance=1nF, Case/Package=0201, Case Code (Metric)=0603, Dielectric=X7R, Manufacturer=Murata, Manufacturer Part Number=GRM033R71H102KA12D, Max Operating Temperature=125°C, Min Operating Temperature=-55°C, Package Quantity=15000, Supplier Part Number 1=81-GRM033R71H102KA2D, Tolerance=10%, Voltage Rating=50V, *PCBChecked=1, *SCHChecked=1, Case Code (Imperial)=0201, ComponentLink1Description=http://www.mouser.com/ds/2/281/c02e-2905.pdf, ComponentLink1URL=http://www.mouser.com/ds/2/281/c02e-2905.pdf, ComponentLink2Description=http://search.murata.co.jp/Ceramy/image/img/A01X/partnumbering_e_01.pdf, ComponentLink2URL=http://search.murata.co.jp/Ceramy/image/img/A01X/partnumbering_e_01.pdf, Composition=Ceramic, Height=0.3mm, Lead Free="Lead Free", Length=0.024inch, Mount="Surface Mount", Packaging="Tape and Reel", Pricing 1="1=0.1, 10=0.019, 50=0.019, 100=0.009, 1000=0.005, 10000=0.004 (USD)", Stock 1=224330, Supplier 1=Mouser, Termination=SMD/SMT, Thickness=0.013inch, Voltage Rating (DC)=50V, Weight=1.2E-05oz, Width=0.012inch
C66: "AVX   02016D223KAT2A   Multilayer Ceramic Capacitor, 0.022 F,  10%, X5R, 6.3 V, 0201 [0603 Metric]", Capacitance=22nF, Case/Package=0201, Case Code (Metric)=0603, Dielectric=X5R, Manufacturer="Kyocera AVX", Manufacturer Part Number=02016D223KAT2A, Max Operating Temperature=85°C, Min Operating Temperature=-55°C, Package Quantity=15000, Supplier Part Number 1=581-02016D223KAT2A, Tolerance=10%, Voltage=6.3V, Case Code (Imperial)=0201, ComponentLink1Description=https://datasheet.ciiva.com/11788/0900766b80def1a5-11788519.pdf, ComponentLink1URL=https://datasheet.ciiva.com/11788/0900766b80def1a5-11788519.pdf, ComponentLink2Description=https://datasheet.ciiva.com/6265/cx5r-6265302.pdf, ComponentLink2URL=https://datasheet.ciiva.com/6265/cx5r-6265302.pdf, ComponentLink3Description=https://datasheet.ciiva.com/17489/cx5r-17489866.pdf, ComponentLink3URL=https://datasheet.ciiva.com/17489/cx5r-17489866.pdf, ComponentLink4Description=https://datasheet.ciiva.com/1123/84508-1123123.pdf, ComponentLink4URL=https://datasheet.ciiva.com/1123/84508-1123123.pdf, ComponentLink5Description=https://datasheet.ciiva.com/1123/84508-1123124.pdf, ComponentLink5URL=https://datasheet.ciiva.com/1123/84508-1123124.pdf, ComponentLink6Description=https://datasheet.ciiva.com/11533/cx5r-11533909.pdf, ComponentLink6URL=https://datasheet.ciiva.com/11533/cx5r-11533909.pdf, Depth=0.3mm, Height=0.013mm, Length=0.6mm, Mount="Surface Mount", Packaging="Tape and Reel", Pricing 1="1=0.1, 10=0.021, 50=0.021, 100=0.009, 1000=0.005, 10000=0.003 (USD)", Radiation Hardening=No, REACH SVHC="No SVHC", Stock 1=117500, Supplier 1=Mouser, Termination=SMD/SMT, Thickness=0.013inch, Voltage Rating=6.3V, Voltage Rating (DC)=6.3V, Width=0.012inch
D1: Manufacturer=STMicroelectronics, Supplier Part Number 1=511-STPS1L40ZF, *PCBChecked=1, *SCHChecked=1, Lead Free="Lead Free", Manufacturer Part Number=STPS1L40ZF, Pricing 1="1=0.47, 10=0.303, 50=0.303, 100=0.13, 1000=0.1, 10000=0.068 (USD)", Stock 1=20000, Supplier 1=Mouser
D2 D3: "ESD Suppressor TVS 30KV 2-Pin Case 0201 T/R", Capacitance=12pF, Case/Package=0201, Case Code (Metric)=0603, Leakage Current=100nA, Manufacturer=STMicroelectronics, Max Operating Temperature=150°C, Min Breakdown Voltage=5.8V, Min Operating Temperature=-40°C, Peak Pulse Power=28W, Power Line Protection=No, Reverse Standoff Voltage=5V, Supplier Part Number 1=511-ESDALC5-1BF4, *PCBChecked=1, *SCHChecked=1, Case Code (Imperial)=0201, ComponentLink1Description=https://datasheet.ciiva.com/48533/dm00078968-48533403.pdf, ComponentLink1URL=https://datasheet.ciiva.com/48533/dm00078968-48533403.pdf, Depth=0.3mm, Direction=Bidirectional, Element Configuration=Single, Length=0.6mm, Manufacturer Part Number=ESDALC5-1BF4, Mount="Surface Mount", Number of Bidirectional Channels=1, Number of Pins=2, Packaging="Tape and Reel", Pricing 1="1=0.46, 10=0.296, 50=0.296, 100=0.127, 1000=0.098, 10000=0.066 (USD)", Radiation Hardening=No, Stock 1=11255, Supplier 1=Mouser
D4: Manufacturer=Bivar, Supplier Part Number 1=749-SM0402PGC, *PCBChecked=1, *SCHChecked=1, Manufacturer Part Number=SM0402PGC, Pricing 1="1=0.68, 10=0.44, 50=0.44, 100=0.379, 1000=0.228, 10000=0.184 (USD)", Stock 1=3948, Supplier 1=Mouser
FB1: "Ferrite Beads Multi-Layer 120Ohm 25% 100MHz 2A 50mOhm DCR 0603 Paper T/R", Case/Package=0603, Case Code (Metric)=1608, Current Rating=2A, DC Resistance (DCR)=50mR, Frequency=100MHz, Manufacturer=Murata, Max Operating Temperature=125°C, Min Operating Temperature=-55°C, Package Quantity=1, Supplier Part Number 1=81-BLM18PG121SN1D, Tolerance=25%, *PCBChecked=1, *SCHChecked=1, Case Code (Imperial)=0603, ComponentLink1Description=https://datasheet.ciiva.com/3854/5emiapbde-1-3854039.pdf, ComponentLink1URL=https://datasheet.ciiva.com/3854/5emiapbde-1-3854039.pdf, ComponentLink2Description=https://datasheet.ciiva.com/11799/0900766b81275ca5-11799546.pdf, ComponentLink2URL=https://datasheet.ciiva.com/11799/0900766b81275ca5-11799546.pdf, ComponentLink3Description=https://datasheet.ciiva.com/19454/1845013-19454715.pdf, ComponentLink3URL=https://datasheet.ciiva.com/19454/1845013-19454715.pdf, ComponentLink4Description=https://datasheet.ciiva.com/5709/1740433-5709171.pdf, ComponentLink4URL=https://datasheet.ciiva.com/5709/1740433-5709171.pdf, ComponentLink5Description=https://datasheet.ciiva.com/29347/442365-da-01-en-chip-drossel-0603-120r-2000ma-1-6x0-8mm-29347911.pdf, ComponentLink5URL=https://datasheet.ciiva.com/29347/442365-da-01-en-chip-drossel-0603-120r-2000ma-1-6x0-8mm-29347911.pdf, ComponentLink6Description=https://datasheet.ciiva.com/14122/blm-series-eng-tds-14122905.pdf, ComponentLink6URL=https://datasheet.ciiva.com/14122/blm-series-eng-tds-14122905.pdf, ComponentLink7Description=https://datasheet.ciiva.com/25903/l0110s0100blm18p-25903483.pdf, ComponentLink7URL=https://datasheet.ciiva.com/25903/l0110s0100blm18p-25903483.pdf, ComponentLink8Description=https://datasheet.ciiva.com/6212/l0110s0100blm18p-6212504.pdf, ComponentLink8URL=https://datasheet.ciiva.com/6212/l0110s0100blm18p-6212504.pdf, ComponentLink9Description=https://datasheet.ciiva.com/6212/l0110s0100blm18p-6212502.pdf, ComponentLink9URL=https://datasheet.ciiva.com/6212/l0110s0100blm18p-6212502.pdf, ComponentLink10Description=https://datasheet.ciiva.com/8021/1740433-8021493.pdf, ComponentLink10URL=https://datasheet.ciiva.com/8021/1740433-8021493.pdf, ComponentLink11Description=https://datasheet.ciiva.com/3081/l0110s0100blm18p-3081632.pdf, ComponentLink11URL=https://datasheet.ciiva.com/3081/l0110s0100blm18p-3081632.pdf, ComponentLink12Description=https://datasheet.ciiva.com/8021/1740433-8021494.pdf, ComponentLink12URL=https://datasheet.ciiva.com/8021/1740433-8021494.pdf, ComponentLink13Description=https://datasheet.ciiva.com/41449/001172297-da-01-en-drossel-0603-120r-1-6x0-8mm-4000st-41449659.pdf, ComponentLink13URL=https://datasheet.ciiva.com/41449/001172297-da-01-en-drossel-0603-120r-1-6x0-8mm-4000st-41449659.pdf, Core Material=Ferrite, DC Current=2A, Depth=0.8mm, Height=0.8mm, Impedance=120R, Lead Free="Lead Free", Length=1.6mm, Manufacturer Part Number=BLM18PG-121SN1D, Material=Steel,Ferrite, Max Current Rating=2A, Max DC Current=2A, Number of Circuits=1, Number of Lines=1, Number of Pins=2, Packaging="Tape and Reel", Pricing 1="1=0.1, 10=0.06, 50=0.06, 100=0.035, 1000=0.025, 10000=0.021 (USD)", Radiation Hardening=No, REACH SVHC="No SVHC", Shielding=Unshielded, Stock 1=217227, Supplier 1=Mouser, Termination=SMD/SMT, Test Frequency=100MHz, Width=0.8mm
FB2: "MURATA         BLM15AG121SN1D             FERRITE BEAD, 0.25OHM, 500MA, 0402", Case/Package=0402, Case Code (Metric)=1005, Current Rating=550mA, DC Current=500mA, DC Resistance (DCR)=190mR, Frequency=100MHz, Manufacturer=Murata, Max Operating Temperature=125°C, Min Operating Temperature=-55°C, Package Quantity=1, Supplier Part Number 1=81-BLM15AG121SN1D, Tolerance=25%, *PCBChecked=1, *SCHChecked=1, Case Code (Imperial)=0402, ComponentLink1Description=https://datasheet.ciiva.com/34302/1844660-34302798.pdf, ComponentLink1URL=https://datasheet.ciiva.com/34302/1844660-34302798.pdf, ComponentLink2Description=https://datasheet.ciiva.com/18090/getdatasheetpartid-210548-18090179.pdf, ComponentLink2URL=https://datasheet.ciiva.com/18090/getdatasheetpartid-210548-18090179.pdf, ComponentLink3Description=https://datasheet.ciiva.com/11800/0900766b811b5866-11800861.pdf, ComponentLink3URL=https://datasheet.ciiva.com/11800/0900766b811b5866-11800861.pdf, ComponentLink4Description=https://datasheet.ciiva.com/41449/001172160-da-01-en-drossel-0402-120r-1-0x0-5mm-10000st-41449449.pdf, ComponentLink4URL=https://datasheet.ciiva.com/41449/001172160-da-01-en-drossel-0402-120r-1-0x0-5mm-10000st-41449449.pdf, ComponentLink5Description=https://datasheet.ciiva.com/29347/442175-da-01-en-chip-drossel-0402-120r-500ma-1-0x0-5mm-29347874.pdf, ComponentLink5URL=https://datasheet.ciiva.com/29347/442175-da-01-en-chip-drossel-0402-120r-500ma-1-0x0-5mm-29347874.pdf, ComponentLink6Description=https://datasheet.ciiva.com/6212/l0110s0100blm15ag-sn-6212527.pdf, ComponentLink6URL=https://datasheet.ciiva.com/6212/l0110s0100blm15ag-sn-6212527.pdf, ComponentLink7Description=https://datasheet.ciiva.com/14122/blm-series-eng-tds-14122927.pdf, ComponentLink7URL=https://datasheet.ciiva.com/14122/blm-series-eng-tds-14122927.pdf, ComponentLink8Description=https://datasheet.ciiva.com/3081/l0110s0100blm15ag-sn-3081599.pdf, ComponentLink8URL=https://datasheet.ciiva.com/3081/l0110s0100blm15ag-sn-3081599.pdf, ComponentLink9Description=https://datasheet.ciiva.com/3081/l0110s0100blm15ag-sn-3081598.pdf, ComponentLink9URL=https://datasheet.ciiva.com/3081/l0110s0100blm15ag-sn-3081598.pdf, ComponentLink10Description=https://datasheet.ciiva.com/1466/5144-1466741.pdf, ComponentLink10URL=https://datasheet.ciiva.com/1466/5144-1466741.pdf, ComponentLink11Description=https://datasheet.ciiva.com/1466/5144-1466740.pdf, ComponentLink11URL=https://datasheet.ciiva.com/1466/5144-1466740.pdf, ComponentLink12Description=https://datasheet.ciiva.com/17279/l0110s0100blm15ag-sn-17279627.pdf, ComponentLink12URL=https://datasheet.ciiva.com/17279/l0110s0100blm15ag-sn-17279627.pdf, ComponentLink13Description=https://datasheet.ciiva.com/6212/l0110s0100blm15ag-sn-6212533.pdf, ComponentLink13URL=https://datasheet.ciiva.com/6212/l0110s0100blm15ag-sn-6212533.pdf, Core Material=Ferrite, Depth=0.55mm, Height=0.5mm, Impedance=120R, Lead Free="Lead Free", Length=1mm, Manufacturer Part Number=BLM15AG121SN1D, Material=Steel,Ferrite, Max Current Rating=550mA, Max DC Current=500mA, Military Standard=Not, Number of Circuits=1, Number of Lines=1, Number of Pins=2, Packaging="Tape and Reel", Pricing 1="1=0.1, 10=0.06, 50=0.06, 100=0.035, 1000=0.025, 10000=0.02 (USD)", Radiation Hardening=No, REACH SVHC="No SVHC", Shielding=Unshielded, Stock 1=102744, Supplier 1=Mouser, Termination=SMD/SMT, Test Frequency=100MHz, Width=0.5mm